# Altium PCB PCBV2.PcbDoc (part 2 of 2)
Units mm, origin at the board's own origin, x right, y up, seen from the top; angles counter-clockwise.
Board outline 200.03 x 99.95 mm, 4 copper layers (Top Layer, Signal Layer 1, Signal Layer 2, Bottom Layer), stack 0.778 mm thick; 105 components, 43 nets, 243 pads, 14 vias.
Unrouted connection lines stored in the file: 1.
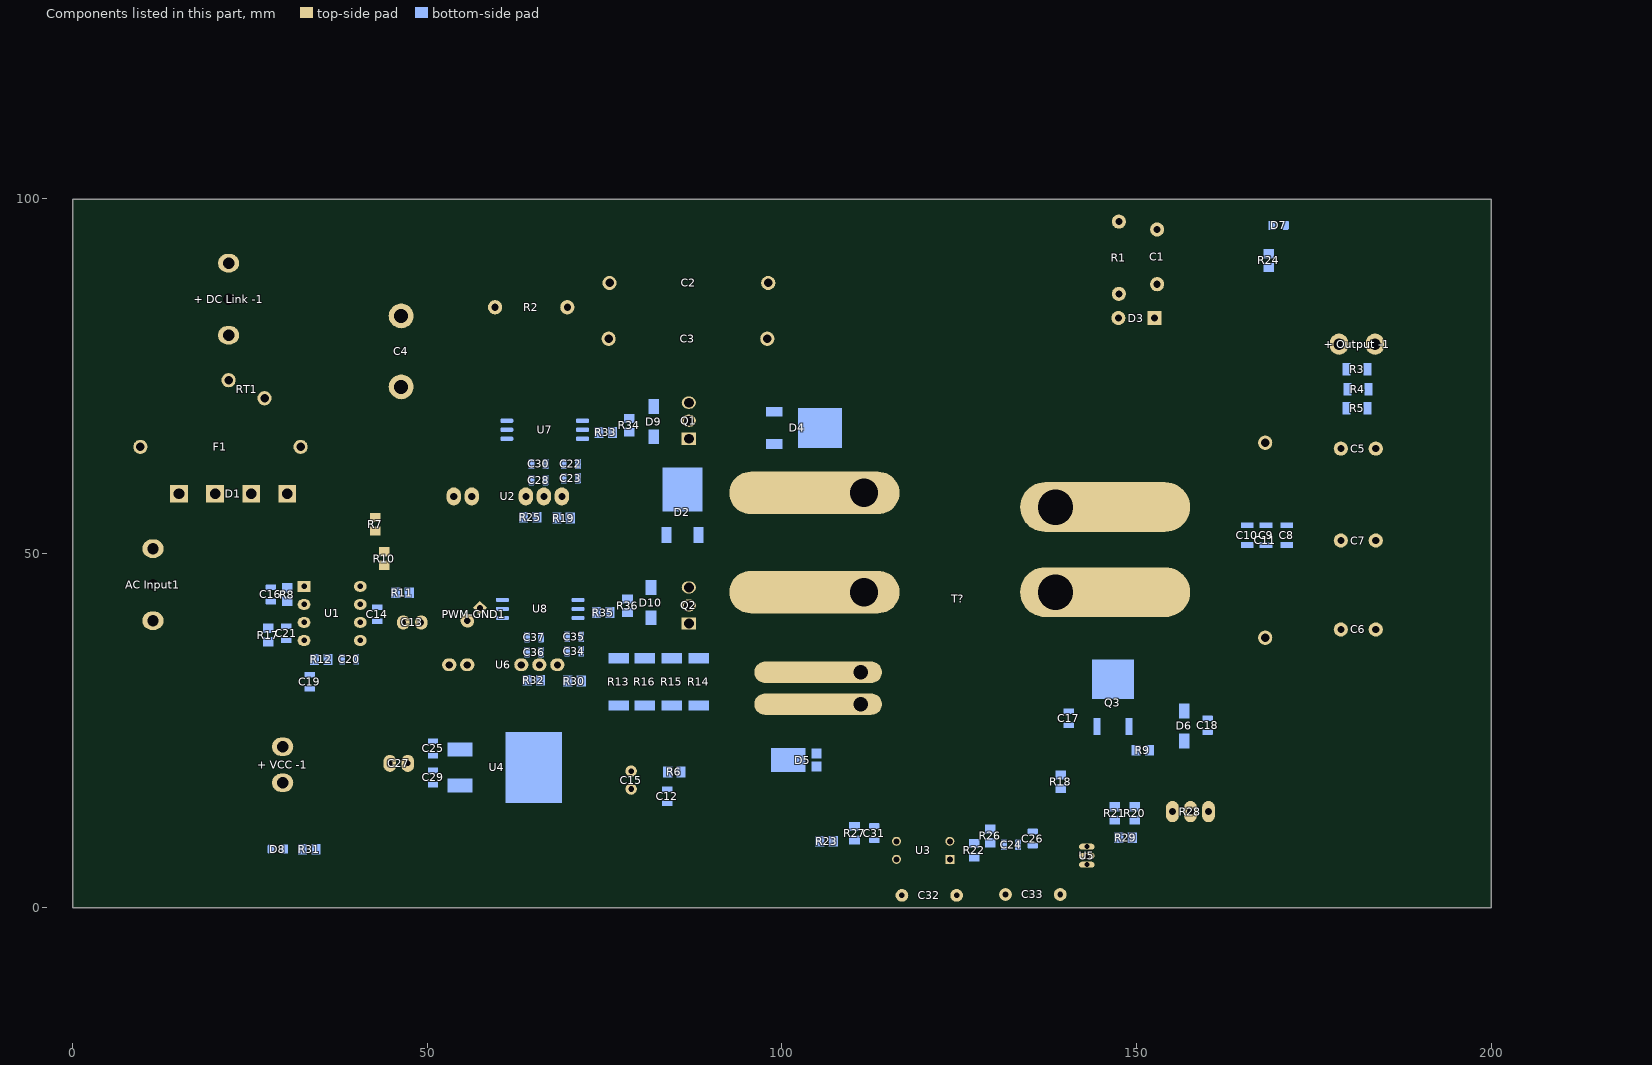
[diagram p3: the components of this part, seen from the top]

## Polygon pours and split planes (outlines as drawn) (continued)
no net on Top Layer "Top Layer-No Net 22" (solid, pour order 264): 124.301,87.508 126.841,87.508 129.381,84.968 129.381,82.428 126.841,79.888 124.301,79.888 121.761,82.428 121.761,84.968
no net on Top Layer "Top Layer-No Net 23" (solid, pour order 262): 114.916,87.508 117.456,87.508 119.996,84.968 119.996,82.428 117.456,79.888 114.916,79.888 112.376,82.428 112.376,84.968
no net on Top Layer "Top Layer-No Net 24" (solid, pour order 260): 109.836,95.25 112.376,95.25 114.916,92.71 114.916,90.17 112.376,87.63 109.836,87.63 107.296,90.17 107.296,92.71
no net on Top Layer "Top Layer-No Net 25" (solid, pour order 258): 119.221,95.25 121.761,95.25 124.301,92.71 124.301,90.17 121.761,87.63 119.221,87.63 116.681,90.17 116.681,92.71
no net on Top Layer "Top Layer-No Net 26" (solid, pour order 256): 137.776,95.25 140.316,95.25 142.856,92.71 142.856,90.17 140.316,87.63 137.776,87.63 135.236,90.17 135.236,92.71
no net on Top Layer "Top Layer-No Net 27" (solid, pour order 254): 128.391,95.25 130.931,95.25 133.471,92.71 133.471,90.17 130.931,87.63 128.391,87.63 125.851,90.17 125.851,92.71
PGND on Top Layer "Top Layer-PGND 1" (solid, pour order 238): 22 vertices, not listed, extent 39.37,12.065 74.803,33.655
GND_ISO_B on Top Layer "Top Layer-GND_ISO_B" (solid, pour order 236): 49.276,29.464 48.387,28.575 48.26,28.575 48.26,27.432 48.641,27.051 68.834,27.051 75.311,33.528 75.311,34.036 74.549,34.798 74.041,34.798 73.025,33.782 72.53,33.782 68.212,29.464
VREF on Top Layer "Top Layer-VREF" (solid, pour order 230): 47.752,8.001 52.832,13.081 103.251,13.081 109.093,7.239 113.792,7.239 113.792,4.699 90.805,4.699 48.006,4.699 47.752,4.953
VREF on Top Layer "Top Layer-VREF 1" (solid, pour order 224): 35.433,33.528 35.941,34.036 37.973,34.036 38.354,33.655 38.354,17.526 48.26,7.62 115.57,7.62 116.84,7.62 117.094,7.366 117.094,5.334 116.459,4.699 104.648,4.699 104.013,4.064 43.561,4.064 35.433,12.192
VCC on Top Layer "Top Layer-VCC" (solid, pour order 216): 17 vertices, not listed, extent 39.624,38.862 47.498,48.895
NetR7_2 on Top Layer "Top Layer-NetR7_2" (solid, pour order 214): 40.259,53.721 39.116,52.578 39.116,50.8 40.259,49.657 44.704,49.657 45.72,50.673 45.72,52.959 44.958,53.721
VDCLINK on Top Layer "Top Layer-VDCLINK" (solid, pour order 212): 49.276,89.789 47.752,91.313 39.878,91.313 37.084,88.519 37.084,56.007 38.481,54.61 44.196,54.61 44.196,61.976 41.021,65.151 41.021,78.994 42.545,80.518 49.276,80.518
PGND on Top Layer "Top Layer-PGND" (solid, pour order 208): 55.753,50.292 55.753,46.736 57.404,45.085 60.96,45.085 67.183,45.085 67.183,48.072 66.487,48.768 59.055,48.768 59.055,50.038 58.801,50.292
VCC_LR on Top Layer "Top Layer-VCC_LR" (solid, pour order 206): 52.197,35.56 54.102,35.56 54.102,36.83 53.975,36.957 53.975,43.307 54.864,44.196 54.864,49.657 54.417,50.104 52.39,50.104 51.689,49.403 51.689,41.021 51.689,39.243 50.8,38.354 50.8,35.56
VCC on Top Layer "Top Layer-VCC 1" (solid, pour order 204): 45.593,22.352 47.498,24.257 47.498,41.91 47.371,42.037 45.72,42.037 44.831,41.148 44.831,25.654 43.053,23.876 43.053,19.812 44.704,18.161 45.593,18.161
NetR18_2 on Top Layer "Top Layer-NetR18_2" (solid, pour order 126): 136.398,4.191 136.398,6.477 137.541,7.62 137.541,14.478 138.303,15.24 139.954,15.24 140.716,14.478 140.716,8.001 139.446,6.731 139.446,4.191
NetD2_1 on Top Layer "Top Layer-NetD2_1" (solid, pour order 30): 92.456,41.529 94.107,39.878 114.427,39.878 117.094,42.545 117.094,47.371 115.316,49.149 94.488,49.149 92.075,46.736 92.075,43.942 85.471,43.942 85.217,43.688 85.217,41.802 85.49,41.529

## Other copper
Top Layer:
  region net VDCLINK: 101.092,94.996 101.092,69.977 97.663,66.548 91.567,66.548 90.424,67.691 85.852,67.691 85.344,68.199 85.344,69.088 85.852,69.596 88.519,69.596 95.25,76.327 95.25,94.996 96.647,96.393 99.695,96.393
  text "Mohammad - Ogun / ELE713 / 2025" at 11.303,68.707 h2 r90